# KiCad board P5S533-TVM ISA R101G.kicad_pcb (continued)
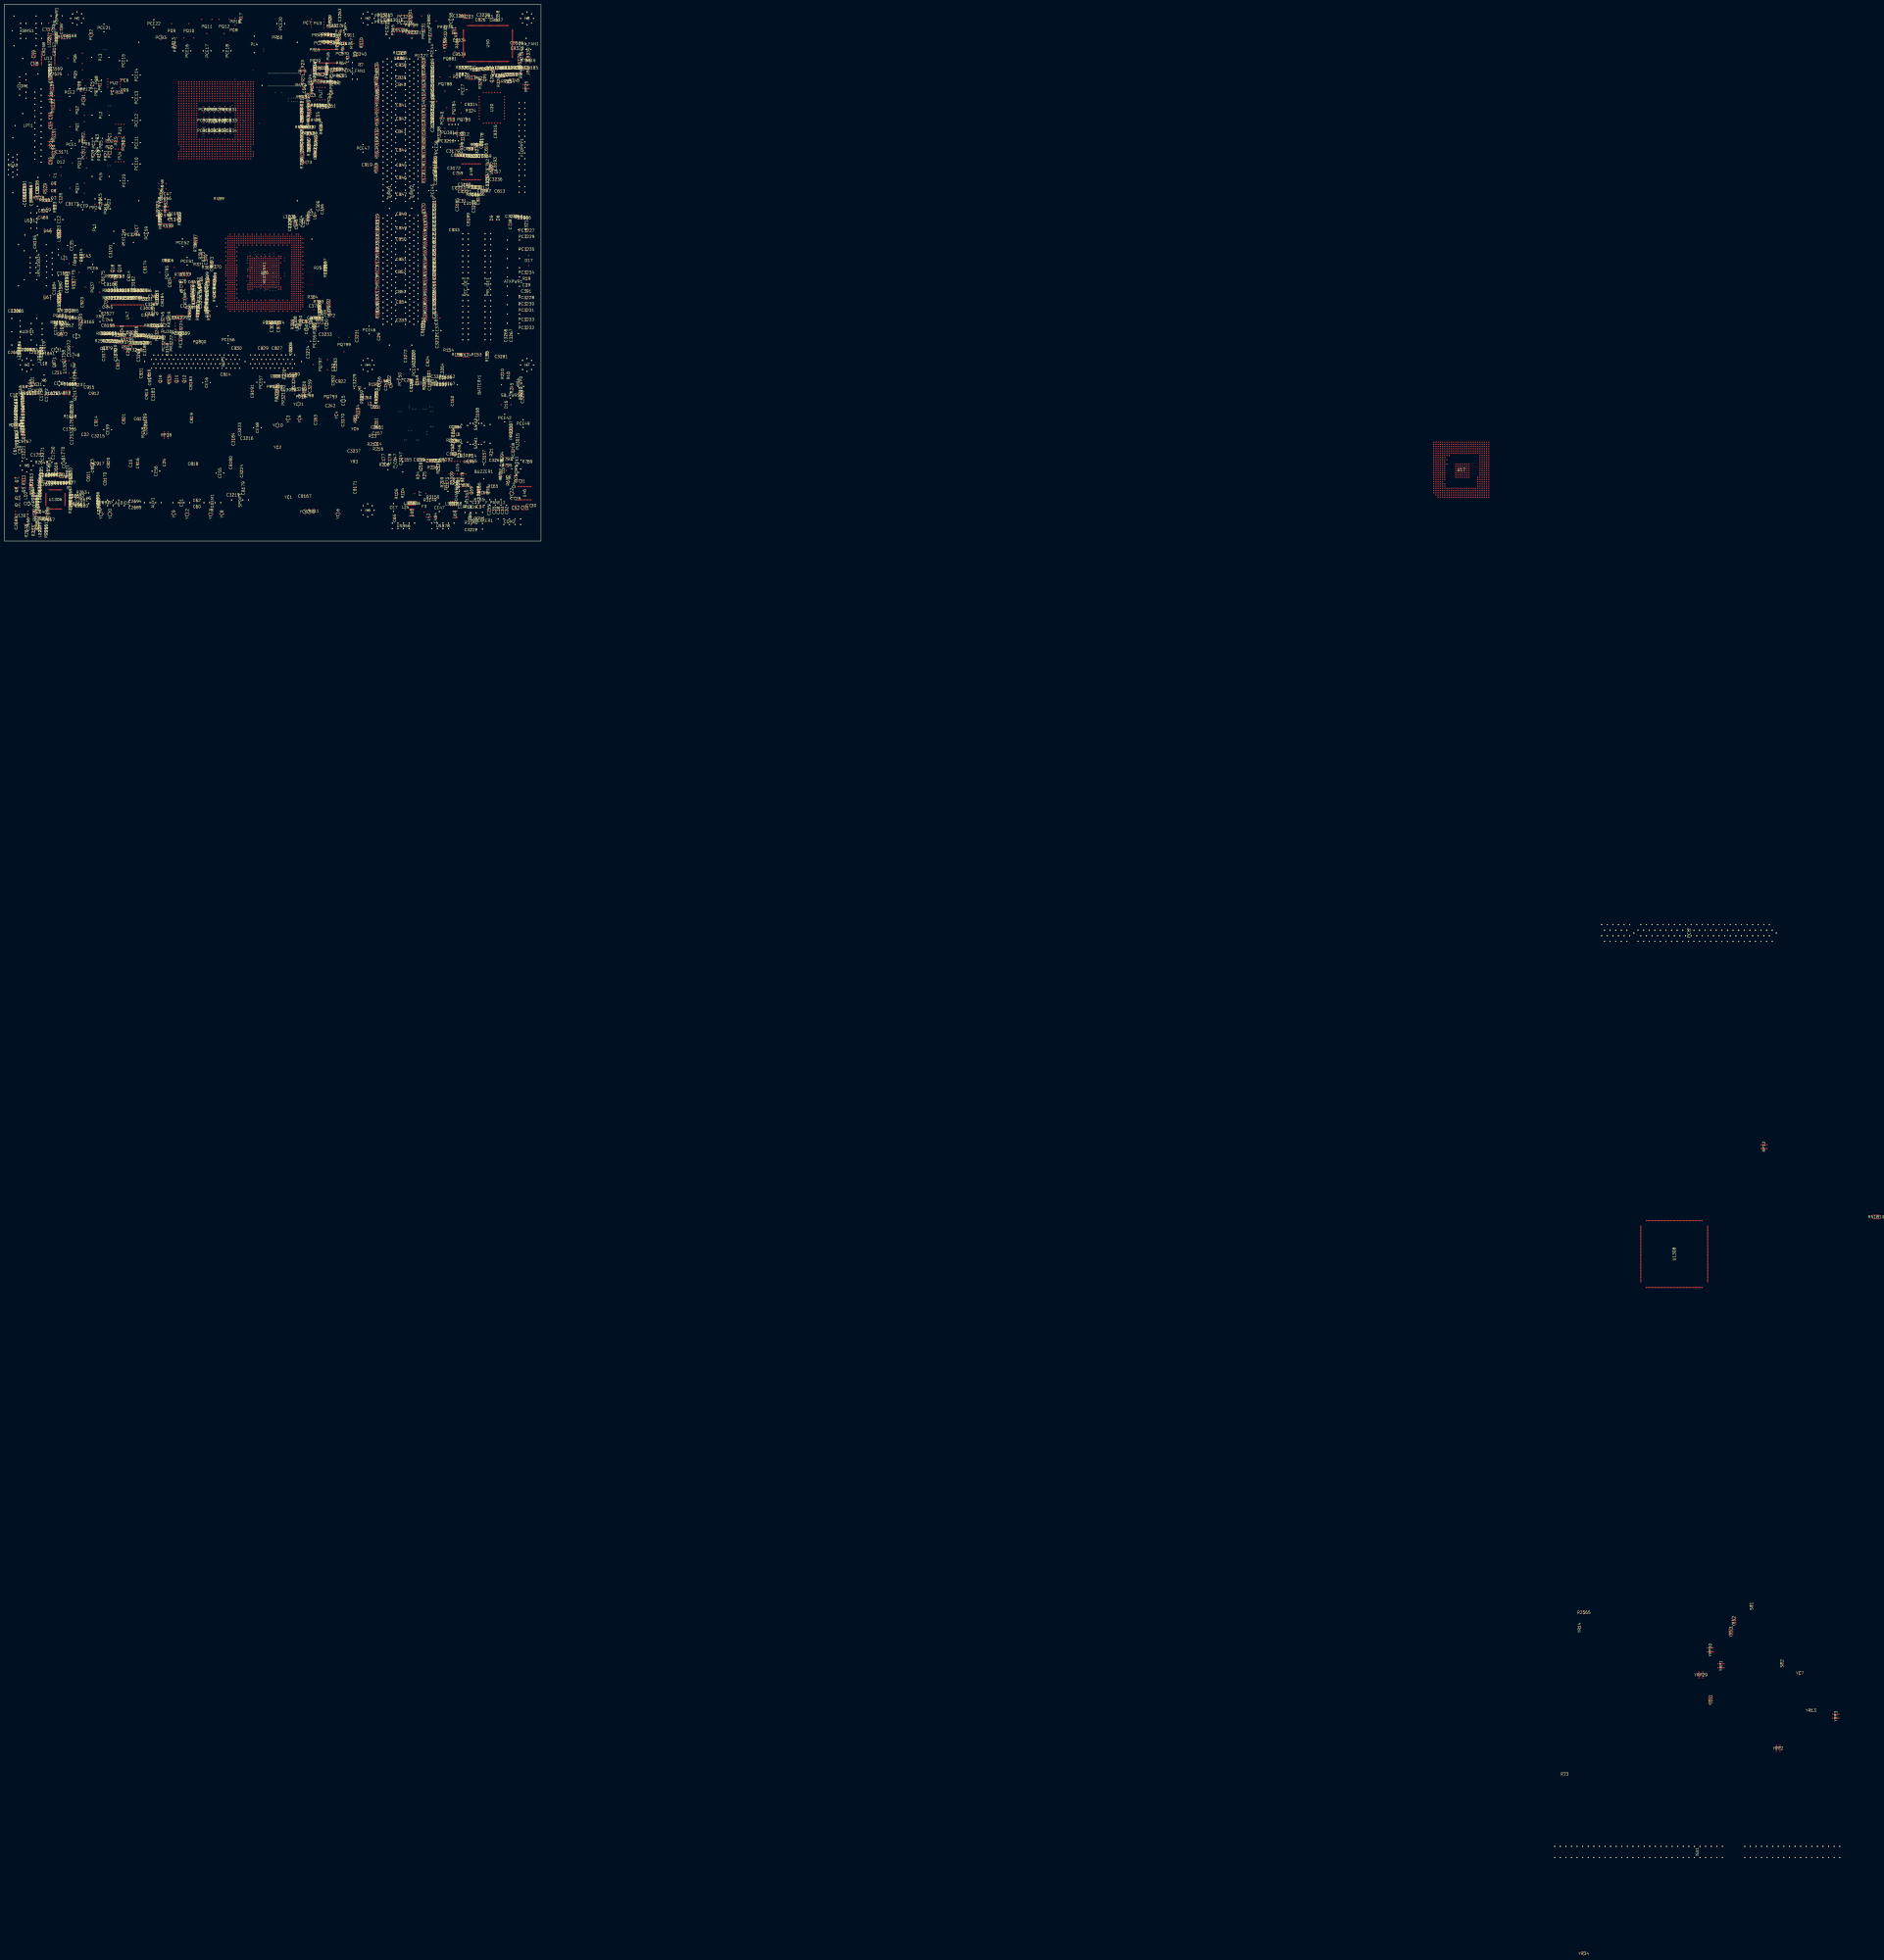
[diagram p0: board, top side]
## Placement (name value [footprint] x y rotation side) (continued)
YC3  C0805|10UF/10V  [C0805]  128.91 55.4 270 top
YC4  0.1UF/25V|MLCC/+80%-20%  [C0603]  150.88 57.28 270 top
YC5  0.1UF/25V|MLCC/+80%-20%  [C0603]  159.26 50.93 0 top
YC6  C0805|10UF/10V  [C0805]  134.11 55.5 90 top
YC7  0.1UF/25V|MLCC/+80%-20%  [C0603]  815.85 -514.44 0 top
YC8  C0805|10UF/10V  [C0805]  98.81 12.29 270 top
YC9  C0805|10UF/10V  [C0805]  76.96 12.29 270 top
YC10  C0805|10UF/10V  [C0805]  124.21 52.58 0 top
YC11  C0805|10UF/10V  [C0805]  140.59 13.59 180 top
YC12  C0805|10UF/10V  [C0805]  83.06 12.29 90 top
YC13  C0805|10UF/10V  [C0805]  93.68 12.29 90 top
YC16  C0805|10UF/10V  [C0805]  151.56 12.32 270 top
YC17  C0805|10UF/10V  [C0805]  136.53 13.34 180 top
YC18  C0805|10UF/10V  [C0805]  138.56 13.34 180 top
YC20  C0805|10UF/10V  [C0805]  48.01 12.32 270 top
YC21  C0805|10UF/10V  [C0805]  133.6 62.15 180 top
YC22  C0805|10UF/10V  [C0805]  230.5 21.72 90 top
YC23  C0805|10UF/10V  [C0805]  39.88 34.92 90 top
YC24  C0805|10UF/10V  [C0805]  43.87 12.32 270 top
YR3  47KOHM|5%  [R0402_H16]  158.9 36.09 0 top
YR13  47KOHM|5%  [R0402_H16]  820.92 -531.41 0 top
YR14  47KOHM|5%  [R0402_H16#2]  715.73 -493.77 90 top
YR34  0OHM|5%  [R0603_H24]  717.65 -641.87 0 top
YRN1  330OHM|5%  [4R8P]  775.28 -526.67 90 top
YRN2  8.2KOHM|5%  [4R8P]  785.86 -490.87 90 top
YRN3  4.7KOHM|5%  [4R8P]  784.54 -495.64 90 top
YRP1  10KOHM|5%  [8R10P_H24]  780.03 -511.08 270 top
YRP2  10KOHM|5%  [8R10P_H24]  806 -548.61 0 top
YRP3  10KOHM|5%  [8R10P_H24]  832.2 -533.99 270 top
YRP29  4.7KOHM|5%  [8R10P_H24]  770.87 -515.27 180 top
YRP30  10KOHM|5%  [8R10P_H24]  775.17 -503.92 90 top

## Library data of the parts
AGP1 ATX12V1 ATXPWR1 AUDIO1 AUX1 BATTERY1 BIOS_WP0 BUZZER1 C1-C3 C7-C10 C13-C15 C17 C19 C22-C36 C38 C40-C43 C46-C49 C57-C59 C61 C65 C67 C135 C148 C150-C157 C162-C164 C166 C169 C170 C173 C175 C176 C179-C230 C233 C236-C238 C240-C242 C254 C257 C261 C304 C306 C307 C342 C344 C350 C354 C356 C358 C362 C365 C368 C370-C372 C374 C484 C489 C611-C617 C647 C655 C736 C737 C793 C815 C816 C818-C821 C826 C911-C920 C922-C924 C1345 C1746 C1748 C1757 C1764 C2654 C2655 C2658 C2663 C2666 C2677 C2686-C2688 C2692 C3006 C3157-C3159 C3166-C3174 C3176 C3178 C3179 C3182-C3185 C3187 C3189-C3191 C3206 C3208-C3210 C3214-C3216 C3218-C3225 C3228-C3240 C3246 C3247 C3260-C3264 C3267-C3270 C3272 C3273 C3278 C3281 C3283 C3284 CB13-CB16 CB25-CB54 CB78-CB80 CB98 CB99 CB106 CB107 CB109 CB115 CB165 CB167 CB168 CB170-CB175 CB177-CB186 CB188 CB189 CB191-CB193 CB314 CB315 CB326 CB327 CB329 CB331 CB332 CB534 CB536 CB537 CB539 CB540 CB972 CD1 CE2 CE3 CE7 CE15 CE16 CE31 CE32 CE35 CE40-CE42 CE47 CE49 CE50 CE55 CE56 CE58-CE60 CHA_FAN1 CHASSIS1 CLRTC1 CN1-CN9 COM1 COM2 CPU_FAN1 D3-D12 D16 D17 D24 D3009 DIMM1 DIMM2 F1 F3 F5-F7 F9 F_PANEL1 FLOPPY1 FP_AUDIO1 H1-H8 HEATSINK1 IR_CON1 ISA1 ITP1 J1 JP2-JP4 KBMS1 KBPWR1 L1 L2 L4-L8 L10 L11 L15 L18 L19 L21 L25 L42 L45-L49 L51 L54 L55 L60 L61 L63-L67 L98-L103 L105-L109 L211 L2018-L2025 L2027 L3027 L3029 L3032-L3039 L3208 LAN_USB34 LGA775 LPT1 MODEM1 PC23 PC40 PC41 PC3213 PC3215 PC3226 PC3242 PC3256-PC3259 PCB1-PCB12 PCB30-PCB40 PCE1 PCE2 PCE6 PCE7 PCE9-PCE18 PCE20-PCE23 PCE37 PCE38 PCE42 PCE44-PCE47 PCE49-PCE52 PCE54-PCE61 PCI2 PD2-PD5 PD15-PD17 PJP1-PJP7 PL1-PL5 PLED1 PQ1-PQ16 PQ24 PQ37 PQ38 PQ784-PQ786 PQ788 PQ789 PQ793 PQ795 PQ797 PQ799 PQ800 PQ879-PQ883 PR6 PR12 PR18 PR24 PR437 PRI_IDE1 PU1-PU4 PU6 PU7 PU3014-PU3018 Q1-Q12 Q18-Q21 Q26 Q33 Q36 Q69 Q871 Q872 Q2117 Q3021 R8 R9 R161 R315 R505 R747 R755 R1654 R3213 R3540 RN14 RN16 RN97 RN98 RP3 RP4 RP12 RP23-RP25 RP28 SATA1 SATA2 SB_PWR1 SEC_IDE1 SPDIF1 SPEAKER1 T2 T3 T5 TP1 TP2 TP4 TP12 TP20-TP24 TP32-TP37 TP45 TP46 U13 U15 U17 U26 U30 U46-U48 U50 U66-U69 U1304 U1306-U1308 USB12 USB56 USB78 VGA1 WOL1 WOR1 X1 X5-X7 X10 YC3 YC6 YC8-YC13 YC16-YC18 YC20-YC24 = -: Datasheet: Extracted fromP5S533-TVM ISA R101G
C4-C6 C11 C16 C18 C20 C21 C37 C39 C44 C45 C50-C56 C60 C62-C64 C66 C136-C147 C149 C158-C161 C165 C167 C172 C174 C177 C178 C231 C232 C255 C305 C308 C314 C325 C326 C328 C331 C332 C335 C336 C343 C345-C349 C351 C355 C357 C359-C361 C363 C364 C366 C367 C369 C391 C630 C631 C729-C732 C738-C746 C753 C754 C756-C766 C769-C772 C774 C775 C777 C779-C782 C784 C786 C788 C790 C791 C794 C795 C822-C824 C830-C832 C908-C910 C1635 C1683 C1684 C1745 C1747 C1749-C1754 C1756 C1758-C1763 C1765-C1779 C1781 C1784 C2646-C2653 C2656 C2657 C2660-C2662 C2664 C2665 C2667-C2670 C2672 C2674-C2676 C2678-C2685 C2689-C2691 C2693 C2694 C3150 C3205 C3207 C3274-C3277 C3279 C3280 C3285 C3286 CB81-CB97 CB100 CB105 CB108 CB111 CB114 CB132 CB157-CB160 CB328 CB330 PC1-PC12 PC24 PC27-PC37 PC39 PC250 PC251 PC873 PC3212 PC3214 PC3216-PC3218 PC3221 PC3222 PC3227-PC3236 PC3246-PC3248 PC3251-PC3253 PC3260 PC3261 YC1 YC2 YC4 YC5 YC7 = -: Datasheet: Extracted fromP5S533-TVM ISA R101G; ki_fp_filters: C_*
C12 PR1-PR3 PR5 PR7-PR9 PR11 PR13-PR15 PR17 PR19-PR21 PR23 PR38 PR39 PR46-PR65 PR67 PR71 PR75 PR79 PR250-PR254 PR1024 PR3196 PR3198 PR3200 PR3201 PR3203 PR3207 PR3209-PR3211 PR3215 PR3218 PR3219 PR3222-PR3224 PR3228-PR3238 R1-R7 R10-R33 R48 R54 R56 R61 R65 R67 R70 R71 R73 R79 R92 R93 R98 R99 R104 R105 R122 R138 R140 R153-R156 R165 R166 R168 R169 R171 R188-R190 R192 R195 R200 R201 R204-R206 R208-R217 R220-R223 R226 R245 R246 R249 R251 R255 R256 R259-R263 R305 R324-R328 R339-R342 R348 R351 R353 R354 R358 R366-R397 R399 R400 R402 R403 R406-R408 R448 R472-R504 R506 R532 R533 R748 R752 R756 R763-R773 R775-R781 R783-R786 R789 R792-R795 R801 R802 R1227 R1228 R1492 R1495 R1580 R1648-R1653 R1655-R1669 R1673 R1703 R2525-R2537 R2540-R2542 R2554 R2556 R2557 R2561 R2565 R2568-R2571 R2573 R2574 R2648 R2650 R2654-R2657 R2660-R2672 R2677 R2678 R3064 R3065 R3149 R3150 R3156 R3157 R3167 R3168 R3212 R3230-R3240 R3539 SR1 SR2 YR3 YR13 YR14 YR34 = -: Datasheet: Extracted fromP5S533-TVM ISA R101G; ki_fp_filters: R_*
PRN4 PRN395-PRN397 PRN399-PRN401 RN1 RN4-RN13 RN15 RN17 RN24 RN28 RN29 RN34-RN59 RN61-RN76 RN78-RN83 RN92 RN99 RN174 RN178 RN189-RN195 RN203 RN877 RN1810-RN1813 YRN1-YRN3 = -: Datasheet: Extracted fromP5S533-TVM ISA R101G; ki_fp_filters: DIP* SOIC* R*Array*Concave* R*Array*Convex* MSOP*
YRP1-YRP3 YRP29 YRP30 = -: Datasheet: Extracted fromP5S533-TVM ISA R101G; ki_fp_filters: R?Array?SIP*

## Footprints (pads in the part's own frame, mm; a bottom-side part is the same pattern mirrored in y, then rotated)
4R8P
  round 0.6 smd: 1(-1.295,-0.813) 2(-1.295,0.813) 3(-0.406,-0.813) 4(-0.406,0.813) 5(0.406,-0.813) 6(0.406,0.813) 7(1.295,-0.813) 8(1.295,0.813)
4R8P_H24
  round 0.6 smd: 1(-1.295,-0.813) 2(-1.295,0.813) 3(-0.406,-0.813) 4(-0.406,0.813) 5(0.406,-0.813) 6(0.406,0.813) 7(1.295,-0.813) 8(1.295,0.813)
4R8P_NOMASK
  round 0.6 smd: 1(-1.295,-0.813) 2(-1.295,0.813) 3(-0.406,-0.813) 4(-0.406,0.813) 5(0.406,-0.813) 6(0.406,0.813) 7(1.295,-0.813) 8(1.295,0.813)
4R8P_NOMASK#2
  round 0.6 smd: 1(1.295,0.813) 2(1.295,-0.813) 3(0.406,0.813) 4(0.406,-0.813) 5(-0.406,0.813) 6(-0.406,-0.813) 7(-1.295,0.813) 8(-1.295,-0.813)
8R10P
  round 0.6 smd: 1(0.864,-1.372) 2(0.864,-0.635) 3(0.864,0) 4(0.864,0.635) 5(0.864,1.372) 6(-0.864,1.372) 7(-0.864,0.635) 8(-0.864,0) 9(-0.864,-0.635) 10(-0.864,-1.372)
8R10P_H24
  round 0.6 smd: 1(0.864,-1.372) 2(0.864,-0.635) 3(0.864,0) 4(0.864,0.635) 5(0.864,1.372) 6(-0.864,1.372) 7(-0.864,0.635) 8(-0.864,0) 9(-0.864,-0.635) 10(-0.864,-1.372)
BATHOLDER_2P_787_LOTES_LF3
  round 0.6 hole 0.4: 1(0,-10.008) 2(0,10.008)
BGA_505P_39_1063X1063
  round 0.6 smd: 1(-12.522,-10.516) 2(-12.522,-9.525) 3(-12.522,-8.509) 4(-12.522,-7.518) 5(-12.522,-6.502) 6(-12.522,-5.512) 7(-12.522,-4.521) 8(-12.522,-3.505) 9(-12.522,-2.515) 10(-12.522,-1.524) 11(-12.522,-0.508) 12(-12.522,0.483) 13(-12.522,1.499) 14(-12.522,2.489) 15(-12.522,3.48) 16(-12.522,4.496) 17(-12.522,5.486) 18(-12.522,6.477) 19(-12.522,7.493) 20(-12.522,8.484) 21(-12.522,9.5) 22(-12.522,10.49) 23(-12.522,11.481) 24(-12.522,12.497) 25(7.493,-12.522) 26(7.493,-11.506) 27(7.493,-10.516) 28(7.493,-9.525) 29(7.493,-8.509) 30(7.493,-7.518) 31(7.493,-6.502) 32(7.493,-5.512) 33(7.493,-4.521) 34(7.493,-3.505) 35(7.493,7.493) 36(7.493,8.484) 37(7.493,9.5) 38(7.493,10.49) 39(7.493,11.481) 40(7.493,12.497) 41(8.484,-12.522) 42(8.484,-11.506) 43(8.484,-10.516) 44(8.484,-9.525) 45(8.484,-8.509) 46(8.484,-7.518) 47(8.484,-6.502) 48(8.484,-5.512) 49(8.484,-4.521) 50(8.484,-3.505) 51(8.484,-2.515) 52(8.484,-1.524) 53(8.484,-0.508) 54(8.484,0.483) 55(8.484,1.499) 56(8.484,2.489) 57(8.484,3.48) 58(8.484,4.496) 59(8.484,5.486) 60(8.484,6.477) 61(8.484,7.493) 62(8.484,8.484) 63(8.484,9.5) 64(8.484,10.49) 65(8.484,11.481) 66(8.484,12.497) 67(9.5,-12.522) 68(9.5,-11.506) 69(9.5,-10.516) 70(9.5,-9.525) 71(9.5,-8.509) 72(9.5,-7.518) 73(9.5,-6.502) 74(9.5,-5.512) 75(9.5,-4.521) 76(9.5,-3.505) 77(9.5,-2.515) 78(9.5,-1.524) 79(9.5,-0.508) 80(9.5,0.483) 81(9.5,1.499) 82(9.5,2.489) 83(9.5,3.48) 84(9.5,4.496) 85(9.5,5.486) 86(9.5,6.477) 87(9.5,7.493) 88(9.5,8.484) 89(9.5,9.5) 90(9.5,10.49) 91(9.5,11.481) 92(9.5,12.497) 93(10.49,-12.522) 94(10.49,-11.506) 95(10.49,-10.516) 96(10.49,-9.525) 97(10.49,-8.509) 98(10.49,-7.518) 99(10.49,-6.502) 100(10.49,-5.512) 101(10.49,-4.521) 102(10.49,-3.505) 103(10.49,-2.515) 104(10.49,-1.524) 105(10.49,-0.508) 106(10.49,0.483) 107(10.49,1.499) 108(10.49,2.489) 109(10.49,3.48) 110(10.49,4.496) 111(10.49,5.486) 112(10.49,6.477) 113(10.49,7.493) 114(10.49,8.484) 115(10.49,9.5) 116(10.49,10.49) 117(10.49,11.481) 118(10.49,12.497) 119(11.481,-12.522) 120(11.481,-11.506) 121(11.481,-10.516) 122(11.481,-9.525) 123(11.481,-8.509) 124(11.481,-7.518) 125(11.481,-6.502) 126(11.481,-5.512) 127(11.481,-4.521) 128(11.481,-3.505) 129(11.481,-2.515) 130(11.481,-1.524) 131(11.481,-0.508) 132(11.481,0.483) 133(11.481,1.499) 134(11.481,2.489) 135(11.481,3.48) 136(11.481,4.496) 137(11.481,5.486) 138(11.481,6.477) 139(11.481,7.493) 140(11.481,8.484) 141(11.481,9.5) 142(11.481,10.49) 143(11.481,11.481) 144(11.481,12.497) 145(12.497,-12.522) 146(12.497,-11.506) 147(12.497,-10.516) 148(12.497,-9.525) 149(12.497,-8.509) 150(12.497,-7.518) 151(12.497,-6.502) 152(12.497,-5.512) 153(12.497,-4.521) 154(12.497,-3.505) 155(12.497,-2.515) 156(12.497,-1.524) 157(12.497,-0.508) 158(12.497,0.483) 159(12.497,1.499) 160(12.497,2.489) 161(12.497,3.48) 162(12.497,4.496) 163(12.497,5.486) 164(12.497,6.477) 165(12.497,7.493) 166(12.497,8.484) 167(12.497,9.5) 168(12.497,10.49) 169(12.497,11.481) 170(12.497,12.497) 171(-11.506,-11.506) 172(-11.506,-10.516) 173(-11.506,-9.525) 174(-11.506,-8.509) 175(-11.506,-7.518) 176(-11.506,-6.502) 177(-11.506,-5.512) 178(-11.506,-4.521) 179(-11.506,-3.505) 180(-11.506,-2.515) 181(-11.506,-1.524) 182(-11.506,-0.508) 183(-11.506,0.483) 184(-11.506,1.499) 185(-11.506,2.489) 186(-11.506,3.48) 187(-11.506,4.496) 188(-11.506,5.486) 189(-11.506,6.477) 190(-11.506,7.493) 191(-11.506,8.484) 192(-11.506,9.5) 193(-11.506,10.49) 194(-11.506,11.481) 195(-11.506,12.497) 196(-10.516,-12.522) 197(-10.516,-11.506) 198(-10.516,-10.516) 199(-10.516,-9.525) 200(-10.516,-8.509) 201(-10.516,-7.518) 202(-10.516,-6.502) 203(-10.516,-5.512) 204(-10.516,-4.521) 205(-10.516,-3.505) 206(-10.516,-2.515) 207(-10.516,-1.524) 208(-10.516,-0.508) 209(-10.516,0.483) 210(-10.516,1.499) 211(-10.516,2.489) 212(-10.516,3.48) 213(-10.516,4.496) 214(-10.516,5.486) 215(-10.516,6.477) 216(-10.516,7.493) 217(-10.516,8.484) 218(-10.516,9.5) 219(-10.516,10.49) 220(-10.516,11.481) 221(-10.516,12.497) 222(-9.525,-12.522) 223(-9.525,-11.506) 224(-9.525,-10.516) 225(-9.525,-9.525) 226(-9.525,-8.509) 227(-9.525,-7.518) 228(-9.525,-6.502) 229(-9.525,-5.512) 230(-9.525,-4.521) 231(-9.525,-3.505) 232(-9.525,-2.515) 233(-9.525,-1.524) 234(-9.525,-0.508) 235(-9.525,0.483) 236(-9.525,1.499) 237(-9.525,2.489) 238(-9.525,3.48) 239(-9.525,4.496) 240(-9.525,5.486) 241(-9.525,6.477) 242(-9.525,7.493) 243(-9.525,8.484) 244(-9.525,9.5) 245(-9.525,10.49) 246(-9.525,11.481) 247(-9.525,12.497) 248(-8.509,-12.522) 249(-8.509,-11.506) 250(-8.509,-10.516) 251(-8.509,-9.525) 252(-8.509,-8.509) 253(-8.509,-7.518) 254(-8.509,-6.502) 255(-8.509,-5.512) 256(-8.509,-4.521) 257(-8.509,-3.505) 258(-8.509,-2.515) 259(-8.509,-1.524) 260(-8.509,-0.508) 261(-8.509,0.483) 262(-8.509,1.499) 263(-8.509,2.489) 264(-8.509,3.48) 265(-8.509,4.496) 266(-8.509,5.486) 267(-8.509,6.477) 268(-8.509,7.493) 269(-8.509,8.484) 270(-8.509,9.5) 271(-8.509,10.49) 272(-8.509,11.481) 273(-8.509,12.497) 274(-7.518,-12.522) 275(-7.518,-11.506) 276(-7.518,-10.516) 277(-7.518,-9.525) 278(-7.518,-8.509) 279(-7.518,-7.518) 280(-7.518,-6.502) 281(-7.518,-4.521) 282(-7.518,-3.505) 283(-7.518,-2.515) 284(-7.518,-1.524) 285(-7.518,-0.508) 286(-7.518,0.483) 287(-7.518,1.499) 288(-7.518,2.489) 289(-7.518,3.48) 290(-7.518,4.496) 291(-7.518,5.486) 292(-7.518,6.477) 293(-7.518,7.493) 294(-7.518,8.484) 295(-7.518,9.5) 296(-7.518,10.49) 297(-7.518,11.481) 298(-7.518,12.497) 299(-6.502,-12.522) 300(-6.502,-11.506) 301(-6.502,-10.516) 302(-6.502,-9.525) 303(-6.502,-8.509) 304(-6.502,2.489) 305(-6.502,4.496) 306(-6.502,6.477) 307(-6.502,7.493) 308(-6.502,8.484) 309(-6.502,9.5) 310(-6.502,10.49) 311(-6.502,11.481) 312(-6.502,12.497) 313(-5.512,-12.522) 314(-5.512,-11.506) 315(-5.512,-10.516) 316(-5.512,-9.525) 317(-5.512,-8.509) 318(-5.512,6.477) 319(-5.512,7.493) 320(-5.512,8.484) 321(-5.512,9.5) 322(-5.512,10.49) 323(-5.512,11.481) 324(-5.512,12.497) 325(-4.521,-12.522) 326(-4.521,-11.506) 327(-4.521,-10.516) 328(-4.521,-9.525) 329(-4.521,-8.509) 330(-4.521,7.493) 331(-4.521,8.484) 332(-4.521,9.5) 333(-4.521,10.49) 334(-4.521,11.481) 335(-4.521,12.497) 336(-3.505,-12.522) 337(-3.505,-11.506) 338(-3.505,-10.516) 339(-3.505,-9.525) 340(-3.505,-8.509) 341(-3.505,7.493) 342(-3.505,8.484) 343(-3.505,9.5) 344(-3.505,10.49) 345(-3.505,11.481) 346(-3.505,12.497) 347(-2.515,-12.522) 348(-2.515,-11.506) 349(-2.515,-10.516) 350(-2.515,-9.525) 351(-2.515,-8.509) 352(-2.515,-3.505) 353(-2.515,-2.515) 354(-2.515,-1.524) 355(-2.515,-0.508) 356(-2.515,0.483) 357(-2.515,1.499) 358(-2.515,2.489) 359(-2.515,7.493) 360(-2.515,8.484) 361(-2.515,9.5) 362(-2.515,10.49) 363(-2.515,11.481) 364(-2.515,12.497) 365(-1.524,-12.522) 366(-1.524,-11.506) 367(-1.524,-10.516) 368(-1.524,-9.525) 369(-1.524,-8.509) 370(-1.524,-3.505) 371(-1.524,-2.515) 372(-1.524,-1.524) 373(-1.524,-0.508) 374(-1.524,0.483) 375(-1.524,1.499) 376(-1.524,2.489) 377(-1.524,7.493) 378(-1.524,8.484) 379(-1.524,9.5) 380(-1.524,10.49) 381(-1.524,11.481) 382(-1.524,12.497) 383(-0.508,-12.522) 384(-0.508,-11.506) 385(-0.508,-10.516) 386(-0.508,-9.525) 387(-0.508,-8.509) 388(-0.508,-3.505) 389(-0.508,-2.515) 390(-0.508,-1.524) 391(-0.508,-0.508) 392(-0.508,0.483) 393(-0.508,1.499) 394(-0.508,2.489) 395(-0.508,7.493) 396(-0.508,8.484) 397(-0.508,9.5) 398(-0.508,10.49) 399(-0.508,11.481) 400(-0.508,12.497) 401(0.483,-12.522) 402(0.483,-11.506) 403(0.483,-10.516) 404(0.483,-9.525) 405(0.483,-8.509) 406(0.483,-3.505) 407(0.483,-2.515) 408(0.483,-1.524) 409(0.483,-0.508) 410(0.483,0.483) 411(0.483,1.499) 412(0.483,2.489) 413(0.483,7.493) 414(0.483,8.484) 415(0.483,9.5) 416(0.483,10.49) 417(0.483,11.481) 418(0.483,12.497) 419(1.499,-12.522) 420(1.499,-11.506) 421(1.499,-10.516) 422(1.499,-9.525) 423(1.499,-8.509) 424(1.499,-3.505) 425(1.499,-2.515) 426(1.499,-1.524) 427(1.499,-0.508) 428(1.499,0.483) 429(1.499,1.499) 430(1.499,2.489) 431(1.499,7.493) 432(1.499,8.484) 433(1.499,9.5) 434(1.499,10.49) 435(1.499,11.481) 436(1.499,12.497) 437(2.489,-12.522) 438(2.489,-11.506) 439(2.489,-10.516) 440(2.489,-9.525) 441(2.489,-8.509) 442(2.489,-3.505) 443(2.489,-2.515) 444(2.489,-1.524) 445(2.489,-0.508) 446(2.489,0.483) 447(2.489,1.499) 448(2.489,2.489) 449(2.489,7.493) 450(2.489,8.484) 451(2.489,9.5) 452(2.489,10.49) 453(2.489,11.481) 454(2.489,12.497) 455(3.48,-12.522) 456(3.48,-11.506) 457(3.48,-10.516) 458(3.48,-9.525) 459(3.48,-8.509) 460(3.48,-3.505) 461(3.48,-2.515) 462(3.48,-1.524) 463(3.48,-0.508) 464(3.48,0.483) 465(3.48,1.499) 466(3.48,2.489) 467(3.48,7.493) 468(3.48,8.484) 469(3.48,9.5) 470(3.48,10.49) 471(3.48,11.481) 472(3.48,12.497) 473(4.496,-12.522) 474(4.496,-11.506) 475(4.496,-10.516) 476(4.496,-9.525) 477(4.496,-8.509) 478(4.496,7.493) 479(4.496,8.484) 480(4.496,9.5) 481(4.496,10.49) 482(4.496,11.481) 483(4.496,12.497) 484(5.486,-12.522) 485(5.486,-11.506) 486(5.486,-10.516) 487(5.486,-9.525) 488(5.486,-8.509) 489(5.486,7.493) 490(5.486,8.484) 491(5.486,9.5) 492(5.486,10.49) 493(5.486,11.481) 494(5.486,12.497) 495(6.477,-12.522) 496(6.477,-11.506) 497(6.477,-10.516) 498(6.477,-9.525) 499(6.477,-8.509) 500(6.477,7.493) 501(6.477,8.484) 502(6.477,9.5) 503(6.477,10.49) 504(6.477,11.481) 505(6.477,12.497)
BGA_839P_39_1476X1476
  round 0.6 smd: 1(-17.501,-15.494) 2(-17.501,-13.487) 3(-17.501,-11.506) 4(-17.501,-9.5) 5(-17.501,-7.493) 6(-17.501,-5.512) 7(-17.501,-3.505) 8(-17.501,-1.499) 9(-17.501,-0.508) 10(-17.501,0.508) 11(-17.501,1.499) 12(-17.501,2.489) 13(-17.501,3.505) 14(-17.501,5.512) 15(-17.501,7.493) 16(-17.501,9.5) 17(-17.501,11.506) 18(-17.501,13.513) 19(-17.501,15.494) 20(2.489,-17.501) 21(2.489,-16.51) 22(2.489,-15.494) 23(2.489,-14.503) 24(2.489,-13.487) 25(2.489,-12.497) 26(2.489,-6.502) 27(2.489,-5.512) 28(2.489,-4.496) 29(2.489,-3.505) 30(2.489,-2.489) 31(2.489,-1.499) 32(2.489,-0.508) 33(2.489,0.508) 34(2.489,1.499) 35(2.489,2.489) 36(2.489,3.505) 37(2.489,4.496) 38(2.489,5.512) 39(2.489,6.502) 40(2.489,7.493) 41(2.489,12.497) 42(2.489,13.513) 43(2.489,14.503) 44(2.489,15.494) 45(2.489,16.51) 46(2.489,17.501) 47(3.505,-17.501) 48(3.505,-16.51) 49(3.505,-15.494) 50(3.505,-14.503) 51(3.505,-13.487) 52(3.505,-12.497) 53(3.505,-6.502) 54(3.505,-5.512) 55(3.505,-4.496) 56(3.505,-3.505) 57(3.505,-2.489) 58(3.505,-1.499) 59(3.505,-0.508) 60(3.505,0.508) 61(3.505,1.499) 62(3.505,2.489) 63(3.505,3.505) 64(3.505,4.496) 65(3.505,5.512) 66(3.505,6.502) 67(3.505,13.513) 68(3.505,14.503) 69(3.505,15.494) 70(3.505,16.51) 71(4.496,-17.501) 72(4.496,-16.51) 73(4.496,-15.494) 74(4.496,-14.503) 75(4.496,-13.487) 76(4.496,-12.497) 77(4.496,-6.502) 78(4.496,-5.512) 79(4.496,-4.496) 80(4.496,-3.505) 81(4.496,-2.489) 82(4.496,-1.499) 83(4.496,-0.508) 84(4.496,0.508) 85(4.496,1.499) 86(4.496,2.489) 87(4.496,3.505) 88(4.496,4.496) 89(4.496,5.512) 90(4.496,6.502) 91(4.496,12.497) 92(4.496,13.513) 93(4.496,14.503) 94(4.496,15.494) 95(4.496,16.51) 96(4.496,17.501) 97(5.512,-16.51) 98(5.512,-15.494) 99(5.512,-14.503) 100(5.512,-13.487) 101(5.512,-6.502) 102(5.512,-5.512) 103(5.512,-4.496) 104(5.512,-3.505) 105(5.512,-2.489) 106(5.512,-1.499) 107(5.512,-0.508) 108(5.512,0.508) 109(5.512,1.499) 110(5.512,2.489) 111(5.512,3.505) 112(5.512,4.496) 113(5.512,5.512) 114(5.512,6.502) 115(5.512,13.513) 116(5.512,14.503) 117(5.512,15.494) 118(5.512,16.51) 119(6.502,-17.501) 120(6.502,-16.51) 121(6.502,-15.494) 122(6.502,-14.503) 123(6.502,-13.487) 124(6.502,-12.497) 125(6.502,-7.493) 126(6.502,-6.502) 127(6.502,-5.512) 128(6.502,-4.496) 129(6.502,-3.505) 130(6.502,-2.489) 131(6.502,-1.499) 132(6.502,-0.508) 133(6.502,0.508) 134(6.502,1.499) 135(6.502,2.489) 136(6.502,3.505) 137(6.502,4.496) 138(6.502,5.512) 139(6.502,6.502) 140(6.502,7.493) 141(6.502,12.497) 142(6.502,13.513) 143(6.502,14.503) 144(6.502,15.494) 145(6.502,16.51) 146(6.502,17.501) 147(7.493,-16.51) 148(7.493,-15.494) 149(7.493,-14.503) 150(7.493,-13.487) 151(7.493,-7.493) 152(7.493,-6.502) 153(7.493,-2.489) 154(7.493,4.496) 155(7.493,6.502) 156(7.493,7.493) 157(7.493,13.513) 158(7.493,14.503) 159(7.493,15.494) 160(7.493,16.51) 161(8.509,-17.501) 162(8.509,-16.51) 163(8.509,-15.494) 164(8.509,-14.503) 165(8.509,-13.487) 166(8.509,-12.497) 167(8.509,12.497) 168(8.509,13.513) 169(8.509,14.503) 170(8.509,15.494) 171(8.509,16.51) 172(8.509,17.501) 173(9.5,-16.51) 174(9.5,-15.494) 175(9.5,-14.503) 176(9.5,-13.487) 177(9.5,13.513) 178(9.5,14.503) 179(9.5,15.494) 180(9.5,16.51) 181(10.49,-17.501) 182(10.49,-16.51) 183(10.49,-15.494) 184(10.49,-14.503) 185(10.49,-13.487) 186(10.49,-12.497) 187(10.49,12.497) 188(10.49,13.513) 189(10.49,14.503) 190(10.49,15.494) 191(10.49,16.51) 192(10.49,17.501) 193(11.506,-16.51) 194(11.506,-15.494) 195(11.506,-14.503) 196(11.506,-13.487) 197(11.506,13.513) 198(11.506,14.503) 199(11.506,15.494) 200(11.506,16.51) 201(12.497,-17.501) 202(12.497,-16.51) 203(12.497,-15.494) 204(12.497,-14.503) 205(12.497,-13.487) 206(12.497,-12.497) 207(12.497,-11.506) 208(12.497,-10.49) 209(12.497,-9.5) 210(12.497,-8.509) 211(12.497,-7.493) 212(12.497,-6.502) 213(12.497,-5.512) 214(12.497,-4.496) 215(12.497,-3.505) 216(12.497,-2.489) 217(12.497,-1.499) 218(12.497,-0.508) 219(12.497,0.508) 220(12.497,1.499) 221(12.497,2.489) 222(12.497,3.505) 223(12.497,4.496) 224(12.497,5.512) 225(12.497,6.502) 226(12.497,7.493) 227(12.497,8.509) 228(12.497,9.5) 229(12.497,10.49) 230(12.497,11.506) 231(12.497,12.497) 232(12.497,13.513) 233(12.497,14.503) 234(12.497,15.494) 235(12.497,16.51) 236(12.497,17.501) 237(13.513,-16.51) 238(13.513,-15.494) 239(13.513,-14.503) 240(13.513,-13.487) 241(13.513,-12.497) 242(13.513,-11.506) 243(13.513,-10.49) 244(13.513,-9.5) 245(13.513,-8.509) 246(13.513,-7.493) 247(13.513,-6.502) 248(13.513,-5.512) 249(13.513,-4.496) 250(13.513,-3.505) 251(13.513,-2.489) 252(13.513,-1.499) 253(13.513,-0.508) 254(13.513,0.508) 255(13.513,1.499) 256(13.513,2.489) 257(13.513,3.505) 258(13.513,4.496) 259(13.513,5.512) 260(13.513,6.502) 261(13.513,7.493) 262(13.513,8.509) 263(13.513,9.5) 264(13.513,10.49) 265(13.513,11.506) 266(13.513,12.497) 267(13.513,13.513) 268(13.513,14.503) 269(13.513,15.494) 270(13.513,16.51) 271(14.503,-17.501) 272(14.503,-16.51) 273(14.503,-15.494) 274(14.503,-14.503) 275(14.503,-13.487) 276(14.503,-12.497) 277(14.503,-11.506) 278(14.503,-10.49) 279(14.503,-9.5) 280(14.503,-8.509) 281(14.503,-7.493) 282(14.503,-6.502) 283(14.503,-5.512) 284(14.503,-4.496) 285(14.503,-3.505) 286(14.503,-2.489) 287(14.503,-1.499) 288(14.503,-0.508) 289(14.503,0.508) 290(14.503,1.499) 291(14.503,2.489) 292(14.503,3.505) 293(14.503,4.496) 294(14.503,5.512) 295(14.503,6.502) 296(14.503,7.493) 297(14.503,8.509) 298(14.503,9.5) 299(14.503,10.49) 300(14.503,11.506) 301(14.503,12.497) 302(14.503,13.513) 303(14.503,14.503) 304(14.503,15.494) 305(14.503,16.51) 306(14.503,17.501) 307(15.494,-17.501) 308(15.494,-16.51) 309(15.494,-15.494) 310(15.494,-14.503) 311(15.494,-13.487) 312(15.494,-12.497) 313(15.494,-11.506) 314(15.494,-10.49) 315(15.494,-9.5) 316(15.494,-8.509) 317(15.494,-7.493) 318(15.494,-6.502) 319(15.494,-5.512) 320(15.494,-4.496) 321(15.494,-3.505) 322(15.494,-2.489) 323(15.494,-1.499) 324(15.494,-0.508) 325(15.494,0.508) 326(15.494,1.499) 327(15.494,2.489) 328(15.494,3.505) 329(15.494,4.496) 330(15.494,5.512) 331(15.494,6.502) 332(15.494,7.493) 333(15.494,8.509) 334(15.494,9.5) 335(15.494,10.49) 336(15.494,11.506) 337(15.494,12.497) 338(15.494,13.513) 339(15.494,14.503) 340(15.494,15.494) 341(15.494,16.51) 342(15.494,17.501) 343(16.51,-16.51) 344(16.51,-15.494) 345(16.51,-14.503) 346(16.51,-13.487) 347(16.51,-12.497) 348(16.51,-11.506) 349(16.51,-10.49) 350(16.51,-9.5) 351(16.51,-8.509) 352(16.51,-7.493) 353(16.51,-6.502) 354(16.51,-5.512) 355(16.51,-4.496) 356(16.51,-3.505) 357(16.51,-2.489) 358(16.51,-1.499) 359(16.51,-0.508) 360(16.51,0.508) 361(16.51,1.499) 362(16.51,2.489) 363(16.51,3.505) 364(16.51,4.496) 365(16.51,5.512) 366(16.51,6.502) 367(16.51,7.493) 368(16.51,8.509) 369(16.51,9.5) 370(16.51,10.49) 371(16.51,11.506) 372(16.51,12.497) 373(16.51,13.513) 374(16.51,14.503) 375(16.51,15.494) 376(16.51,16.51) 377(17.501,-15.494) 378(17.501,-14.503) 379(17.501,-13.487) 380(17.501,-12.497) 381(17.501,-11.506) 382(17.501,-10.49) 383(17.501,-8.509) 384(17.501,-6.502) 385(17.501,-4.496) 386(17.501,-2.489) 387(17.501,-0.508) 388(17.501,1.499) 389(17.501,3.505) 390(17.501,5.512) 391(17.501,7.493) 392(17.501,9.5) 393(17.501,11.506) 394(17.501,13.513) 395(17.501,15.494) 396(-16.51,-16.51) 397(-16.51,-15.494) 398(-16.51,-14.503) 399(-16.51,-13.487) 400(-16.51,-12.497) 401(-16.51,-11.506) 402(-16.51,-10.49) 403(-16.51,-9.5) 404(-16.51,-8.509) 405(-16.51,-7.493) 406(-16.51,-6.502) 407(-16.51,-5.512) 408(-16.51,-4.496) 409(-16.51,-3.505) 410(-16.51,-2.489) 411(-16.51,-1.499) 412(-16.51,-0.508) 413(-16.51,0.508) 414(-16.51,1.499) 415(-16.51,2.489) 416(-16.51,3.505) 417(-16.51,4.496) 418(-16.51,5.512) 419(-16.51,6.502) 420(-16.51,7.493) 421(-16.51,8.509) 422(-16.51,9.5) 423(-16.51,10.49) 424(-16.51,11.506) 425(-16.51,12.497) 426(-16.51,13.513) 427(-16.51,14.503) 428(-16.51,15.494) 429(-16.51,16.51) 430(-15.494,-17.501) 431(-15.494,-16.51) 432(-15.494,-15.494) 433(-15.494,-14.503) 434(-15.494,-13.487) 435(-15.494,-12.497) 436(-15.494,-11.506) 437(-15.494,-10.49) 438(-15.494,-9.5) 439(-15.494,-8.509) 440(-15.494,-7.493) 441(-15.494,-6.502) 442(-15.494,-5.512) 443(-15.494,-4.496) 444(-15.494,-3.505) 445(-15.494,-2.489) 446(-15.494,-1.499) 447(-15.494,-0.508) 448(-15.494,0.508) 449(-15.494,1.499) 450(-15.494,2.489) 451(-15.494,3.505) 452(-15.494,4.496) 453(-15.494,5.512) 454(-15.494,6.502) 455(-15.494,7.493) 456(-15.494,8.509) 457(-15.494,9.5) 458(-15.494,10.49) 459(-15.494,11.506) 460(-15.494,12.497) 461(-15.494,13.513) 462(-15.494,14.503) 463(-15.494,15.494) 464(-15.494,16.51) 465(-15.494,17.501) 466(-14.503,-16.51) 467(-14.503,-15.494) 468(-14.503,-14.503) 469(-14.503,-13.487) 470(-14.503,-12.497) 471(-14.503,-11.506) 472(-14.503,-10.49) 473(-14.503,-9.5) 474(-14.503,-8.509) 475(-14.503,-7.493) 476(-14.503,-6.502) 477(-14.503,-5.512) 478(-14.503,-4.496) 479(-14.503,-3.505) 480(-14.503,-2.489) 481(-14.503,-1.499) 482(-14.503,-0.508) 483(-14.503,0.508) 484(-14.503,1.499) 485(-14.503,2.489) 486(-14.503,3.505) 487(-14.503,4.496) 488(-14.503,5.512) 489(-14.503,6.502) 490(-14.503,7.493) 491(-14.503,8.509) 492(-14.503,9.5) 493(-14.503,10.49) 494(-14.503,11.506) 495(-14.503,12.497) 496(-14.503,13.513) 497(-14.503,14.503) 498(-14.503,15.494) 499(-14.503,16.51) 500(-13.487,-17.501) 501(-13.487,-16.51) 502(-13.487,-15.494) 503(-13.487,-14.503) 504(-13.487,-13.487) 505(-13.487,-12.497) 506(-13.487,-11.506) 507(-13.487,-10.49) 508(-13.487,-9.5) 509(-13.487,-8.509) 510(-13.487,-7.493) 511(-13.487,-6.502) 512(-13.487,-5.512) 513(-13.487,-4.496) 514(-13.487,-3.505) 515(-13.487,-2.489) 516(-13.487,-1.499) 517(-13.487,-0.508) 518(-13.487,0.508) 519(-13.487,1.499) 520(-13.487,2.489) 521(-13.487,3.505) 522(-13.487,4.496) 523(-13.487,5.512) 524(-13.487,6.502) 525(-13.487,7.493) 526(-13.487,8.509) 527(-13.487,9.5) 528(-13.487,10.49) 529(-13.487,11.506) 530(-13.487,12.497) 531(-13.487,13.513) 532(-13.487,14.503) 533(-13.487,15.494) 534(-13.487,16.51) 535(-13.487,17.501) 536(-12.497,-16.51) 537(-12.497,-15.494) 538(-12.497,-14.503) 539(-12.497,-13.487) 540(-12.497,-11.506) 541(-12.497,-9.5) 542(-12.497,-7.493) 543(-12.497,-5.512) 544(-12.497,-3.505) 545(-12.497,-1.499) 546(-12.497,-0.508) 547(-12.497,0.508) 548(-12.497,1.499) 549(-12.497,2.489) 550(-12.497,3.505) 551(-12.497,5.512) 552(-12.497,7.493) 553(-12.497,9.5) 554(-12.497,11.506) 555(-12.497,13.513) 556(-12.497,14.503) 557(-12.497,15.494) 558(-12.497,16.51) 559(-11.506,-17.501) 560(-11.506,-16.51) 561(-11.506,-15.494) 562(-11.506,-14.503) 563(-11.506,-13.487) 564(-11.506,-12.497) 565(-11.506,12.497) 566(-11.506,13.513) 567(-11.506,14.503) 568(-11.506,15.494) 569(-11.506,16.51) 570(-11.506,17.501) 571(-10.49,-16.51) 572(-10.49,-15.494) 573(-10.49,-14.503) 574(-10.49,-13.487) 575(-10.49,13.513) 576(-10.49,14.503) 577(-10.49,15.494) 578(-10.49,16.51) 579(-9.5,-17.501) 580(-9.5,-16.51) 581(-9.5,-15.494) 582(-9.5,-14.503) 583(-9.5,-13.487) 584(-9.5,-12.497) 585(-9.5,12.497) 586(-9.5,13.513) 587(-9.5,14.503) 588(-9.5,15.494) 589(-9.5,16.51) 590(-9.5,17.501) 591(-8.509,-16.51) 592(-8.509,-15.494) 593(-8.509,-14.503) 594(-8.509,-13.487) 595(-8.509,13.513) 596(-8.509,14.503) 597(-8.509,15.494) 598(-8.509,16.51) 599(-7.493,-17.501) 600(-7.493,-16.51) 601(-7.493,-15.494) 602(-7.493,-14.503) 603(-7.493,-13.487) 604(-7.493,-12.497) 605(-7.493,-7.493) 606(-7.493,-6.502) 607(-7.493,-5.512) 608(-7.493,-1.499) 609(-7.493,1.499) 610(-7.493,6.502) 611(-7.493,7.493) 612(-7.493,12.497) 613(-7.493,13.513) 614(-7.493,14.503) 615(-7.493,15.494) 616(-7.493,16.51) 617(-7.493,17.501) 618(-6.502,-16.51) 619(-6.502,-15.494) 620(-6.502,-14.503) 621(-6.502,-13.487) 622(-6.502,-7.493) 623(-6.502,-6.502) 624(-6.502,-5.512) 625(-6.502,-4.496) 626(-6.502,-3.505) 627(-6.502,-2.489) 628(-6.502,-1.499) 629(-6.502,-0.508) 630(-6.502,0.508) 631(-6.502,1.499) 632(-6.502,2.489) 633(-6.502,3.505) 634(-6.502,4.496) 635(-6.502,5.512) 636(-6.502,6.502) 637(-6.502,7.493) 638(-6.502,13.513) 639(-6.502,14.503) 640(-6.502,15.494) 641(-6.502,16.51) 642(-5.512,-17.501) 643(-5.512,-16.51) 644(-5.512,-15.494) 645(-5.512,-14.503) 646(-5.512,-13.487) 647(-5.512,-12.497) 648(-5.512,-7.493) 649(-5.512,-6.502) 650(-5.512,-5.512) 651(-5.512,-4.496) 652(-5.512,-3.505) 653(-5.512,-2.489) 654(-5.512,-1.499) 655(-5.512,-0.508) 656(-5.512,0.508) 657(-5.512,1.499) 658(-5.512,2.489) 659(-5.512,3.505) 660(-5.512,4.496) 661(-5.512,5.512) 662(-5.512,6.502) 663(-5.512,12.497) 664(-5.512,13.513) 665(-5.512,14.503) 666(-5.512,15.494) 667(-5.512,16.51) 668(-5.512,17.501) 669(-4.496,-16.51) 670(-4.496,-15.494) 671(-4.496,-14.503) 672(-4.496,-13.487) 673(-4.496,-6.502) 674(-4.496,-5.512) 675(-4.496,-4.496) 676(-4.496,-3.505) 677(-4.496,-2.489) 678(-4.496,-1.499) 679(-4.496,-0.508) 680(-4.496,0.508) 681(-4.496,1.499) 682(-4.496,2.489) 683(-4.496,3.505) 684(-4.496,4.496) 685(-4.496,5.512) 686(-4.496,6.502) 687(-4.496,13.513) 688(-4.496,14.503) 689(-4.496,15.494) 690(-4.496,16.51) 691(-3.505,-17.501) 692(-3.505,-16.51) 693(-3.505,-15.494) 694(-3.505,-14.503) 695(-3.505,-13.487) 696(-3.505,-12.497) 697(-3.505,-6.502) 698(-3.505,-5.512) 699(-3.505,-4.496) 700(-3.505,-3.505) 701(-3.505,-2.489) 702(-3.505,-1.499) 703(-3.505,-0.508) 704(-3.505,0.508) 705(-3.505,1.499) 706(-3.505,2.489) 707(-3.505,3.505) 708(-3.505,4.496) 709(-3.505,5.512) 710(-3.505,6.502) 711(-3.505,7.493) 712(-3.505,12.497) 713(-3.505,13.513) 714(-3.505,14.503) 715(-3.505,15.494) 716(-3.505,16.51) 717(-3.505,17.501) 718(-2.489,-16.51) 719(-2.489,-15.494) 720(-2.489,-14.503) 721(-2.489,-13.487) 722(-2.489,-6.502) 723(-2.489,-5.512) 724(-2.489,-4.496) 725(-2.489,-3.505) 726(-2.489,-2.489) 727(-2.489,-1.499) 728(-2.489,-0.508) 729(-2.489,0.508) 730(-2.489,1.499) 731(-2.489,2.489) 732(-2.489,3.505) 733(-2.489,4.496) 734(-2.489,5.512) 735(-2.489,6.502) 736(-2.489,13.513) 737(-2.489,14.503) 738(-2.489,15.494) 739(-2.489,16.51) 740(-1.499,-17.501) 741(-1.499,-16.51) 742(-1.499,-15.494) 743(-1.499,-14.503) 744(-1.499,-13.487) 745(-1.499,-12.497) 746(-1.499,-6.502) 747(-1.499,-5.512) 748(-1.499,-4.496) 749(-1.499,-3.505) 750(-1.499,-2.489) 751(-1.499,-1.499) 752(-1.499,-0.508) 753(-1.499,0.508) 754(-1.499,1.499) 755(-1.499,2.489) 756(-1.499,3.505) 757(-1.499,4.496) 758(-1.499,5.512) 759(-1.499,6.502) 760(-1.499,7.493) 761(-1.499,12.497) 762(-1.499,13.513) 763(-1.499,14.503) 764(-1.499,15.494) 765(-1.499,16.51) 766(-1.499,17.501) 767(-0.508,-16.51) 768(-0.508,-15.494) 769(-0.508,-14.503) 770(-0.508,-13.487) 771(-0.508,-6.502) 772(-0.508,-5.512) 773(-0.508,-4.496) 774(-0.508,-3.505) 775(-0.508,-2.489) 776(-0.508,-1.499) 777(-0.508,-0.508) 778(-0.508,0.508) 779(-0.508,1.499) 780(-0.508,2.489) 781(-0.508,3.505) 782(-0.508,4.496) 783(-0.508,5.512) 784(-0.508,6.502) 785(-0.508,13.513) 786(-0.508,14.503) 787(-0.508,15.494) 788(-0.508,16.51) 789(0.508,-17.501) 790(0.508,-16.51) 791(0.508,-15.494) 792(0.508,-14.503) 793(0.508,-13.487) 794(0.508,-12.497) 795(0.508,-7.493) 796(0.508,-6.502) 797(0.508,-5.512) 798(0.508,-4.496) 799(0.508,-3.505) 800(0.508,-2.489) 801(0.508,-1.499) 802(0.508,-0.508) 803(0.508,0.508) 804(0.508,1.499) 805(0.508,2.489) 806(0.508,3.505) 807(0.508,4.496) 808(0.508,5.512) 809(0.508,6.502) 810(0.508,7.493) 811(0.508,12.497) 812(0.508,13.513) 813(0.508,14.503) 814(0.508,15.494) 815(0.508,16.51) 816(0.508,17.501) 817(1.499,-16.51) 818(1.499,-15.494) 819(1.499,-14.503) 820(1.499,-13.487) 821(1.499,-7.493) 822(1.499,-6.502) 823(1.499,-5.512) 824(1.499,-4.496) 825(1.499,-3.505) 826(1.499,-2.489) 827(1.499,-1.499) 828(1.499,-0.508) 829(1.499,0.508) 830(1.499,1.499) 831(1.499,2.489) 832(1.499,3.505) 833(1.499,4.496) 834(1.499,5.512) 835(1.499,6.502) 836(1.499,13.513) 837(1.499,14.503) 838(1.499,15.494) 839(1.499,16.51)
